# Altium PCB IRVT-001.PcbDoc (part 3 of 4)
Units mm, origin at the board's own origin, x right, y up, seen from the top; angles counter-clockwise.
Board outline 180 x 180 mm, 4 copper layers (Top Layer, Ground Plane, Power & Signal, Bottom Layer), stack 1.397 mm thick; 910 components, 520 nets, 2483 pads, 116 vias.
Unrouted connection lines stored in the file: 1841.
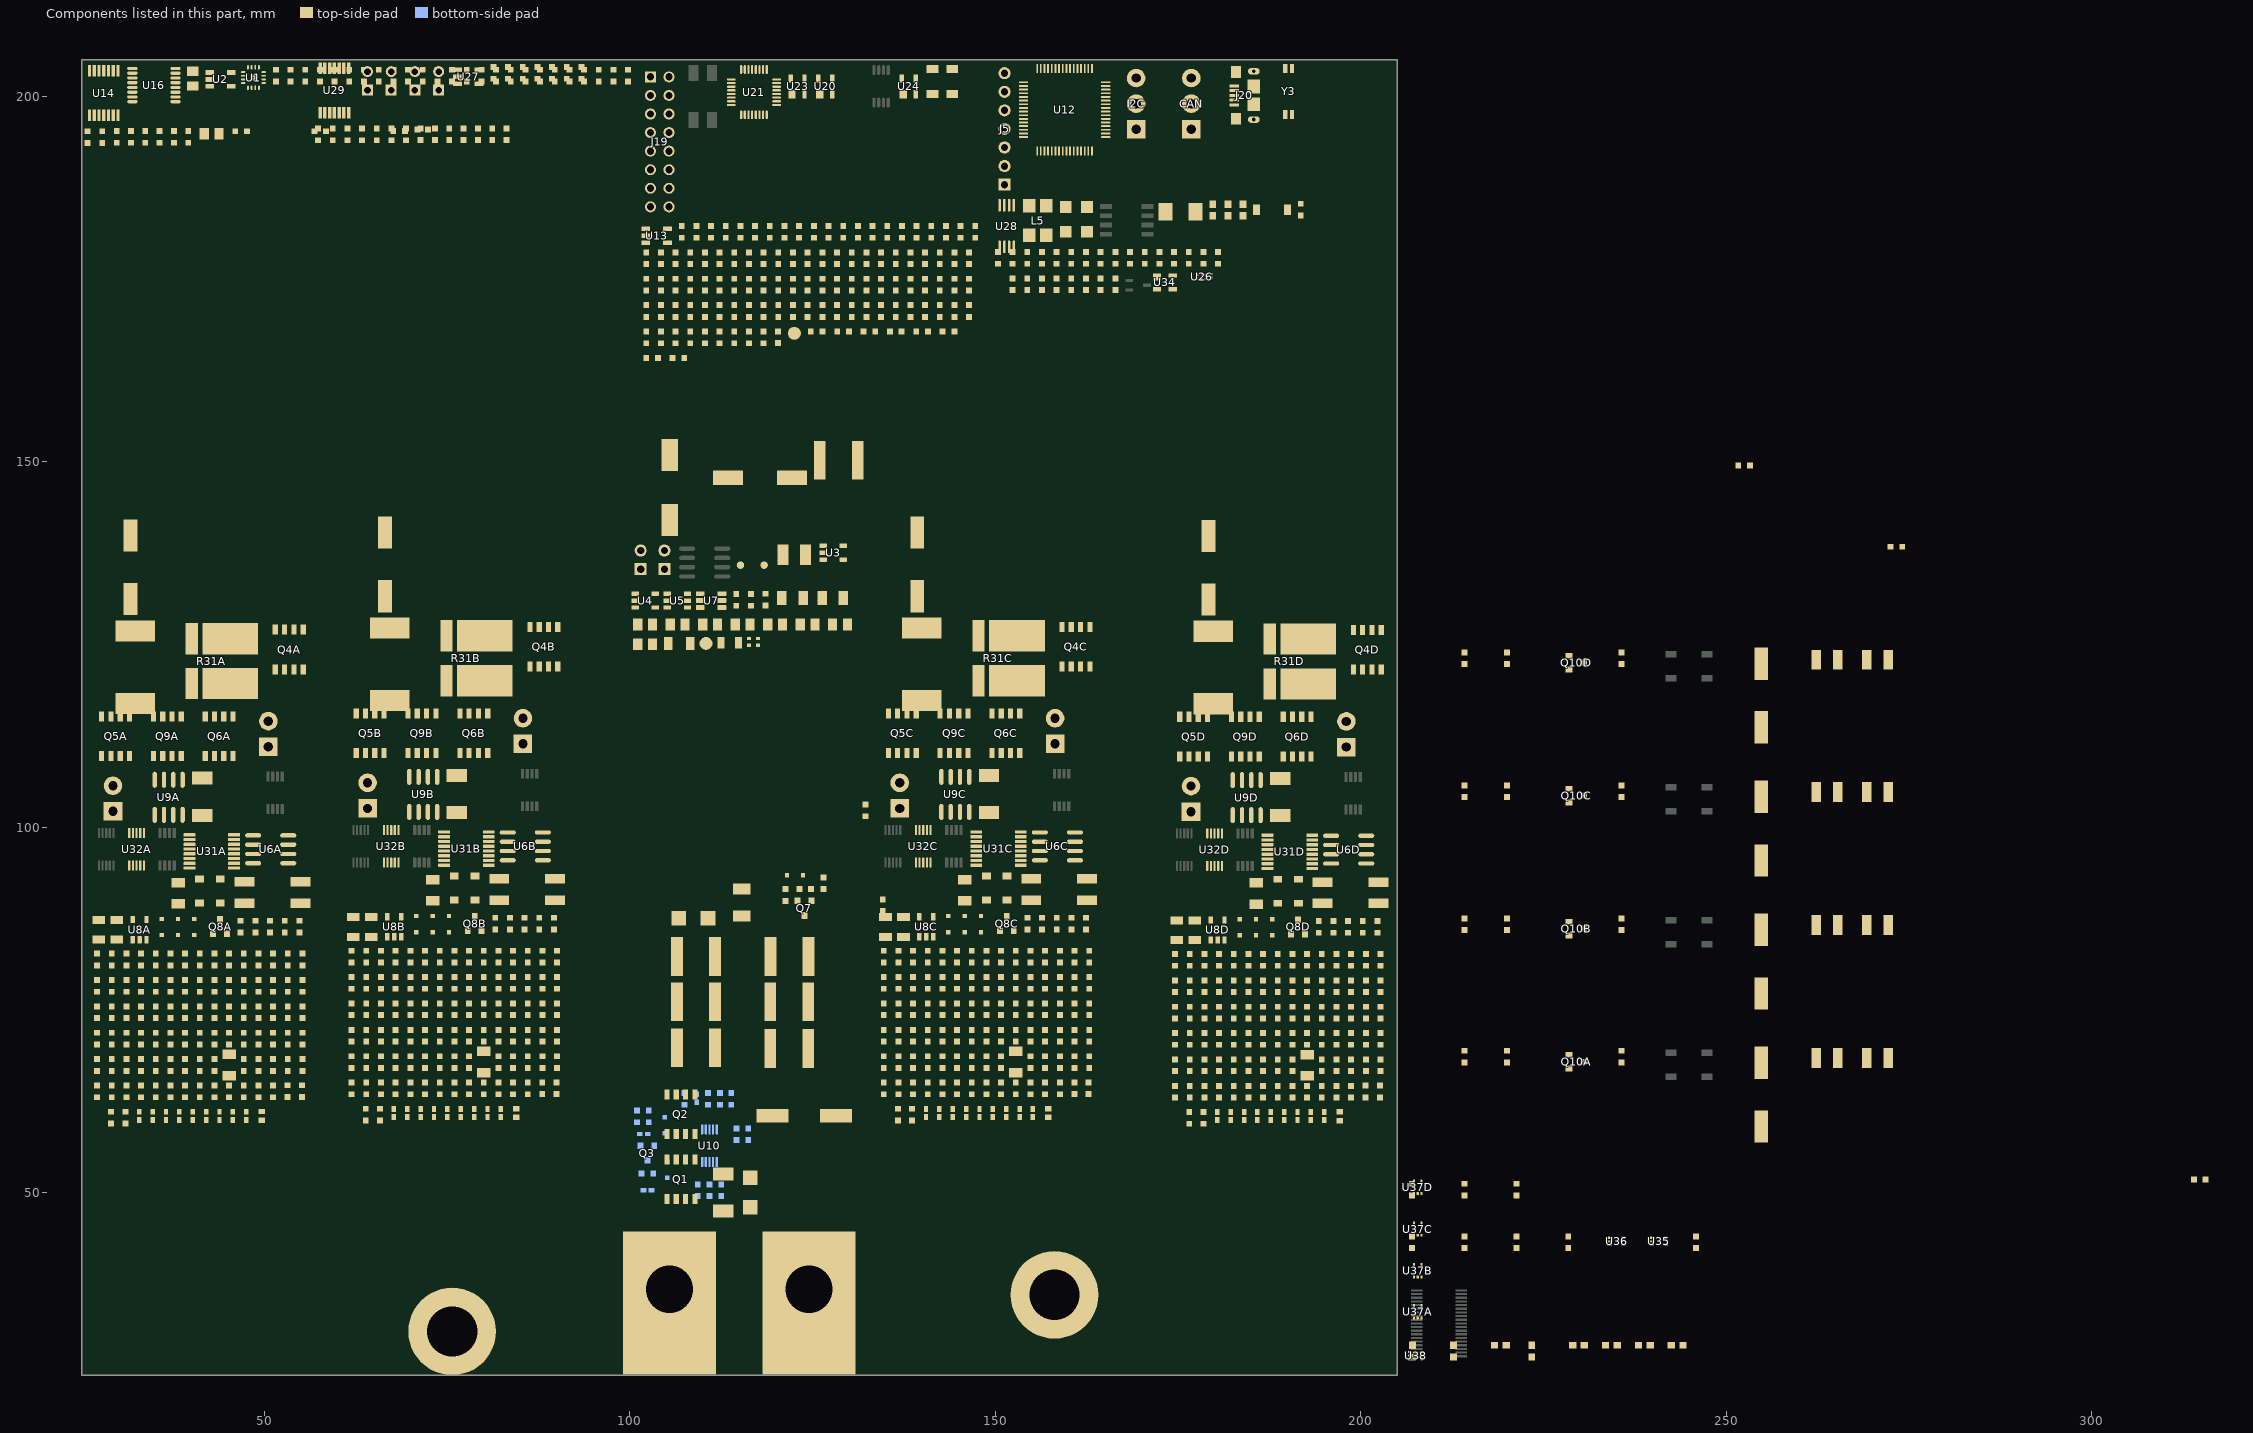
[diagram p4: the components of this part, seen from the top]

## Footprints (in the part's own frame and the unit in brackets; to place one, negate y for a bottom-side part, rotate by r counter-clockwise, add the part's x,y. Pads: shape width x height; smd on the part's side, far side on the other; paste and mask are expansions set on the pad) (continued)
DIOD-SOT23-3_V [mm] "SOT23, 3-Leads, Body 3x1.4mm, Pitch 0.95mm"
  rect 0.9x0.8 smd: 1(-1,0.95) 2(-1,-0.95) 3(1,0)
  silkscreen extent -1.12,-1.5 0.7,2.03, body extent -1.25,-1.5 1.25,1.5, height 1.1
DNK8 [mm]
  rect 1.372x0.71 smd paste-0.673: 1(-2.712,1.905) 2(-2.712,0.635) 3(-2.712,-0.635) 4(-2.712,-1.905) 5(2.712,-1.905) 6(2.712,-0.635) 7(2.712,0.635) 8(2.712,1.905)
  Top Layer region: -1.042,-2.26 -1.042,2.26 2.808,2.26 2.808,-2.26
  silkscreen extent -4.17,-3.2 4,3.2, body extent -3,-2.5 3,2.5, height 1
DRL0005A_L [mm] "SOT23, 5-Leads, Body 1.7x1.3mm, Pitch 0.5mm, IPC High Density"
  rrect33% 0.4x0.3 smd: 1(-0.85,0.5) 2(-0.85,0) 3(-0.85,-0.5) 4(0.85,-0.5) 5(0.85,0.5)
  silkscreen extent -0.97,-0.85 0.25,1.32, body extent -0.65,-0.85 0.65,0.85, height 0.6
DRL0005A_N [mm] "SOT23, 5-Leads, Body 1.7x1.3mm, Pitch 0.5mm, IPC Medium Density"
  rrect33% 0.6x0.3 smd: 1(-0.95,0.5) 2(-0.95,0) 3(-0.95,-0.5) 4(0.95,-0.5) 5(0.95,0.5)
  silkscreen extent -1.07,-0.85 0.25,1.32, body extent -0.65,-0.85 0.65,0.85, height 0.6
DRY0006A [mm]
  rrect50% 0.35x0.2 smd: 1(-0.275,0.5)
  rrect50% 0.3x0.2 smd: 2(-0.3,0) 3(-0.3,-0.5) 4(0.3,-0.5) 5(0.3,0) 6(0.3,0.5)
  body extent -0.5,-0.72 0.5,0.73, height 0.58
FCI_10118193-0001LF [mm]
  rect 0.4x1.35 smd: 1(-1.3,4.125) 2(-0.65,4.125) 3(0,4.125) 4(0.65,4.125) 5(1.3,4.125)
  oval 0.9x1.6 hole 0.5 slot 1.2 at 90 deg: 6(-3.3,1.45) 7(3.3,1.45)
  rect 1.6x1.4 smd: 8(-3.2,3.9) 9(3.2,3.9)
  rect 1.9x1.7 smd: 10(-1.2,1.45) 11(1.2,1.45)
  silkscreen extent -4.3,0.2 4.3,5.4, body extent -3.93,-1.45 3.93,4.5, height 3.51
FP-C0603C-CF-MFG [mm]
  rect 0.75x0.9 smd paste+0 mask+0: 1(-0.6,0) 2(0.6,0)
  silkscreen extent -0.87,-0.85 0.88,0.85, body extent -1.2,-0.6 1.2,0.6, height 0.25
FP-LPS4018-MFG [mm]
  round 1.026 smd paste+0 mask+0: 1(-1.611,-1.175) 2(1.611,-1.175)
  Top Layer region: -0.75,1.945 -1.64,1.945 -2.2,1.395 -2.2,-1.395 -1.64,-1.945 -0.75,-1.945 -0.75,-1.17 -1.33,-0.575 -1.33,0.575 -0.75,1.17
  Top Layer region: 0.75,1.945 1.64,1.945 2.2,1.395 2.2,-1.395 1.64,-1.945 0.75,-1.945 0.75,-1.17 1.33,-0.575 1.33,0.575 0.75,1.17
  silkscreen extent -0.37,-1.99 0.37,1.99, body extent -2.3,-2.09 2.3,2.09, height 0.25
FUSE_CCF [mil]
  rect 70x110 smd: 1(-100,0) 2(100,0)
HDR1X2 [mm] "Connector; Header; 2 Position"
  rect 1.5x1.5 hole 0.9: 1(0,0)
  round 1.5 hole 0.9: 2(2.54,0)
  silkscreen extent -1.27,-1.27 3.81,1.27
Johnson_108-0740-001 [mm]
  round 12 hole 6.858: 1(0,0)
  body extent -4.77,-5.43 4.75,5.57, height 2.39
Net-Tie_10mil [mil]
  rect 10x10 smd paste-5 mask-5: 1(-10,0) 2(10,0)
  Top Layer region: -6,5 6,5 6,-5 -6,-5
ONSC-SOT-23-3-318-08_V [mm] "SOT23, 3-Leads, Body 2.92x1.3mm, Pitch 0.95mm"
  rect 0.9x0.8 smd: 1(-1,0.95) 2(-1,-0.95) 3(1,0)
  silkscreen extent -1.12,-1.46 0.65,2.02, body extent -0.65,-1.46 0.65,1.46, height 1.11
Panduit_CXS70-14-C [mil]
  rect 770x500 hole 254 copper offset -74.8,0 paste-250: 1(0,0)
  body extent -960,-250 310,250, height 684
PBS0032A_L [mm]
  oval 1.2x0.3 smd: 1(-3.1,1.75) 2(-3.1,1.25) 3(-3.1,0.75) 4(-3.1,0.25) 5(-3.1,-0.25) 6(-3.1,-0.75) 7(-3.1,-1.25) 8(-3.1,-1.75) 17(3.1,-1.75) 18(3.1,-1.25) 19(3.1,-0.75) 20(3.1,-0.25) 21(3.1,0.25) 22(3.1,0.75) 23(3.1,1.25) 24(3.1,1.75)
  oval 0.3x1.2 smd: 9(-1.75,-3.1) 10(-1.25,-3.1) 11(-0.75,-3.1) 12(-0.25,-3.1) 13(0.25,-3.1) 14(0.75,-3.1) 15(1.25,-3.1) 16(1.75,-3.1) 25(1.75,3.1) 26(1.25,3.1) 27(0.75,3.1) 28(0.25,3.1) 29(-0.25,3.1) 30(-0.75,3.1) 31(-1.25,3.1) 32(-1.75,3.1)
  silkscreen extent -3.6,-2.53 2.53,2.53, body extent -3.51,-3.51 3.51,3.51, height 1.2
PM0064A_L [mm] "QFP, 64-Leads, Body 10x10mm, Pitch 0.5mm, IPC High Density"
  rrect40% 1.25x0.25 smd: 1(-5.625,3.75) 2(-5.625,3.25) 3(-5.625,2.75) 4(-5.625,2.25) 5(-5.625,1.75) 6(-5.625,1.25) 7(-5.625,0.75) 8(-5.625,0.25) 9(-5.625,-0.25) 10(-5.625,-0.75) 11(-5.625,-1.25) 12(-5.625,-1.75) 13(-5.625,-2.25) 14(-5.625,-2.75) 15(-5.625,-3.25) 16(-5.625,-3.75) 33(5.625,-3.75) 34(5.625,-3.25) 35(5.625,-2.75) 36(5.625,-2.25) 37(5.625,-1.75) 38(5.625,-1.25) 39(5.625,-0.75) 40(5.625,-0.25) 41(5.625,0.25) 42(5.625,0.75) 43(5.625,1.25) 44(5.625,1.75) 45(5.625,2.25) 46(5.625,2.75) 47(5.625,3.25) 48(5.625,3.75)
  rrect40% 0.25x1.25 smd: 17(-3.75,-5.625) 18(-3.25,-5.625) 19(-2.75,-5.625) 20(-2.25,-5.625) 21(-1.75,-5.625) 22(-1.25,-5.625) 23(-0.75,-5.625) 24(-0.25,-5.625) 25(0.25,-5.625) 26(0.75,-5.625) 27(1.25,-5.625) 28(1.75,-5.625) 29(2.25,-5.625) 30(2.75,-5.625) 31(3.25,-5.625) 32(3.75,-5.625) 49(3.75,5.625) 50(3.25,5.625) 51(2.75,5.625) 52(2.25,5.625) 53(1.75,5.625) 54(1.25,5.625) 55(0.75,5.625) 56(0.25,5.625) 57(-0.25,5.625) 58(-0.75,5.625) 59(-1.25,5.625) 60(-1.75,5.625) 61(-2.25,5.625) 62(-2.75,5.625) 63(-3.25,5.625) 64(-3.75,5.625)
  silkscreen extent -5.75,-4.6 4.6,4.6, body extent -6,-6 6,6, height 1.49
PogoPad [mil]
  round 70 smd paste-35: 1(0,0)
PW0014A_M [mm] "SOP, 14-Leads, Body 5.1x4.5mm, Pitch 0.65mm, IPC Low Density"
  rrect22% 1.6x0.45 smd: 1(-3.05,1.95) 2(-3.05,1.3) 3(-3.05,0.65) 4(-3.05,0) 5(-3.05,-0.65) 6(-3.05,-1.3) 7(-3.05,-1.95) 8(3.05,-1.95) 9(3.05,-1.3) 10(3.05,-0.65) 11(3.05,0) 12(3.05,0.65) 13(3.05,1.3) 14(3.05,1.95)
  silkscreen extent -3.17,-2.55 1.85,2.85, body extent -3.21,-2.5 3.21,2.5, height 1
PW0016A_M [mm] "SOP, 16-Leads, Body 5.1x4.5mm, Pitch 0.65mm, IPC Low Density"
  rrect22% 1.6x0.45 smd: 1(-3.05,2.275) 2(-3.05,1.625) 3(-3.05,0.975) 4(-3.05,0.325) 5(-3.05,-0.325) 6(-3.05,-0.975) 7(-3.05,-1.625) 8(-3.05,-2.275) 9(3.05,-2.275) 10(3.05,-1.625) 11(3.05,-0.975) 12(3.05,-0.325) 13(3.05,0.325) 14(3.05,0.975) 15(3.05,1.625) 16(3.05,2.275)
  silkscreen extent -3.17,-2.55 1.85,3.17, body extent -3.21,-2.5 3.21,2.5, height 1
PW0016A_N [mm]
  oval 1.4x0.45 smd paste+0 mask+0.051: 1(-2.95,2.275) 2(-2.95,1.625) 3(-2.95,0.975) 4(-2.95,0.325) 5(-2.95,-0.325) 6(-2.95,-0.975) 7(-2.95,-1.625) 8(-2.95,-2.275) 9(2.95,-2.275) 10(2.95,-1.625) 11(2.95,-0.975) 12(2.95,-0.325) 13(2.95,0.325) 14(2.95,0.975) 15(2.95,1.625) 16(2.95,2.275)
  silkscreen extent -3.5,-2.55 1.85,2.75
RESC0402(1005)_L [mm] "Chip Resistor, Body 1.0x0.5mm, IPC High Density"
  rect 0.45x0.55 smd: 1(-0.45,0) 2(0.45,0)
  body extent -0.52,-0.27 0.53,0.28, height 0.4
RTE0016D [mm]
  oval 0.6x0.24 smd paste+0 mask+0.051: 1(-1.4,0.75) 2(-1.4,0.25) 3(-1.4,-0.25) 4(-1.4,-0.75) 9(1.4,-0.75) 10(1.4,-0.25) 11(1.4,0.25) 12(1.4,0.75)
  oval 0.24x0.6 smd paste+0 mask+0.051: 5(-0.75,-1.4) 6(-0.25,-1.4) 7(0.25,-1.4) 8(0.75,-1.4) 13(0.75,1.4) 14(0.25,1.4) 15(-0.25,1.4) 16(-0.75,1.4)
  rect 0.8x0.8 smd paste-0.387 mask+0.051: 17(0,0)
  round 0.5 hole 0.203 mask+0.051: V(0,0)
  silkscreen extent -1.72,-1.73 1.72,1.73, body extent -1.5,-1.5 1.5,1.5, height 0.8
Samtec_HTSW-102-07-G-S [mm]
  rrect6% 1.65x1.65 hole 1.016: 1(-1.27,0)
  round 1.65 hole 1.016: 2(1.27,0)
  silkscreen extent -3.3,-1.27 2.54,1.27, body extent -2.54,-1.27 2.54,1.27, height 8.38
Seiko_SSP-T [mm]
  rect 0.6x1.2 smd: 1(-0.45,3.15) 2(-0.45,-3.15) 3(0.45,-3.15) 4(0.45,3.15)
  silkscreen extent -1.23,-2 0.75,2.29, body extent -0.75,-3.35 0.75,3.35, height 1.41
SIMDAD_1812 [mm] "EPCOS"
  rect 1.7x1.85 smd: 1(-1.15,2.025) 2(-1.15,-2.025) 3(1.15,-2.025) 4(1.15,2.025)
  silkscreen extent -2,-0.8 1.75,0.9, body extent -1.75,-2.6 1.75,2.6, height 3.01
SM_RADIAL_10AMM [mm]
  rect 4.4x1.9 smd: 1(-4.35,0) 2(4.35,0)
  silkscreen extent -5.25,-5.25 5.25,5.25, body extent -5.25,-5.25 5.25,5.25, height 8
SM_RADIAL_G [mm]
  rect 4.1x2 smd: 1(-4.35,0) 2(4.35,0)
  silkscreen extent -5.35,-5.35 5.35,5.35, body extent -5.25,-5.25 5.25,5.25, height 10.5
SMA [mm]
  rect 2x2 smd: 1(-2,0) 2(2,0)
  silkscreen extent -3.66,-1.57 2.79,1.57, body extent -2.6,-1.3 2.6,1.3, height 2.42
SOD-123FL [mm]
  rect 0.915x1.22 smd: 1(-1.637,0) 2(1.637,0)
  silkscreen extent -2.74,-1.16 1.68,1.16, body extent -1.9,-0.9 1.9,0.9, height 1
sod-323 [mm]
  rect 0.6x0.6 smd paste-0.05: 1(-1.1,0) 2(1.1,0)
  silkscreen extent -2.06,-0.86 1.53,0.86, body extent -1.3,-0.67 1.3,0.68, height 1.1
SOD-523 [mm]
  rect 0.8x0.6 smd paste-0.05: 1(-0.55,0) 2(0.55,0)
  silkscreen extent -1.65,-0.66 1.2,0.66, body extent -0.8,-0.4 0.8,0.4, height 0.72
SOT143B [mm] "SOT143, 4-Leads, Body 2.90x2.30mm, Pitch 1.90mm, IPC Medium Density"
  rect 1.15x1 smd: 1(-1.075,0.75)
  rect 1.15x0.6 smd: 2(-1.075,-0.95) 3(1.075,-0.95) 4(1.075,0.95)
  silkscreen extent -1.12,-1.5 0.7,1.6, body extent -1.1,-1.45 1.1,1.45, height 1
Sullins_xxxC008DAAN [mm]
  rect 1.5x1.5 hole 1: 1(-1.27,8.89)
  round 1.5 hole 1: 2(1.27,8.89) 3(-1.27,6.35) 4(1.27,6.35) 5(-1.27,3.81) 6(1.27,3.81) 7(-1.27,1.27) 8(1.27,1.27) 9(-1.27,-1.27) 10(1.27,-1.27) 11(-1.27,-3.81) 12(1.27,-3.81) 13(-1.27,-6.35) 14(1.27,-6.35) 15(-1.27,-8.89) 16(1.27,-8.89)
  silkscreen extent -2.5,-10.16 2.5,10.6, body extent -2.5,-10.16 2.5,10.16, height 8.34
SW_TL1015AF160QG [mm]
  rect 0.95x1.4 smd: 1(-2.1,0) 2(2.1,0)
  silkscreen extent -2,-1.5 2,1.5, body extent -2.3,-1.5 2.3,1.5, height 2
TERM_BLK_ED555-2DS [mil]
  rect 100x100 hole 50: 1(0,0)
  round 100 hole 50: 2(138,0)
  silkscreen extent -93,-161 215,113, body extent -69,-150 207,106, height 323
TERM_BLK_ED555-3DS [mil]
  rect 100x100 hole 50: 1(0,0)
  round 100 hole 50: 2(138,0) 3(276,0)
  silkscreen extent -93,-161 353,113, body extent -69,-150 345,106, height 323
TSSOP-8 [mm]
  rrect50% 1.7x0.35 smd: 1(-2.85,0.975) 2(-2.85,0.325) 3(-2.85,-0.325) 4(-2.85,-0.975) 5(2.85,-0.975) 6(2.85,-0.325) 7(2.85,0.325) 8(2.85,0.975)
  silkscreen extent -2.97,-1.55 1.6,1.82, body extent -3.2,-1.55 3.2,1.55, height 1.07
TSW-107-07-G-S [mm]
  rrect6% 1.65x1.65 hole 1.016: 1(-7.62,0)
  round 1.65 hole 1.016: 2(-5.08,0) 3(-2.54,0) 4(0,0) 5(2.54,0) 6(5.08,0) 7(7.62,0)
  silkscreen extent -8.89,-1.27 8.89,1.65, body extent -8.89,-1.27 8.89,1.27, height 8.38
WE-HCC-1210 [mm] "Inductor, 2-Leads, Body 12.1 x 11.4 mm"
  rect 2.9x5.4 smd: 1(-4.95,0) 2(4.95,0)
  silkscreen extent -6.2,-5.85 6.2,5.85, body extent -6.05,-5.68 6.05,5.72, height 9.5
"WE-LHMI 4020" [mm] "SMD Inductor, 2-Leads, Body 4.45 x 4.06mm"
  rect 1.5x2.4 smd: 1(-1.85,0) 2(1.85,0)
  Keep-Out Layer lines w0.127: -1,2 -1,-2 1,-2 1,2 -1,2
  silkscreen extent -2.97,-2.2 2.2,2.2, body extent -2.22,-2.03 2.23,2.03, height 1.8
WSL3637_0.001 [mil]
  rect 168x300 smd: 1(-121,-45) 2(121,-45)
  rect 168x66 smd: 3(-121,162) 4(121,162)
  silkscreen extent -220,-210 220,210, body extent -185,-190 185,190, height 35
XTAL_ABM3 [mm]
  rect 1.9x2.4 smd: 1(-2.05,0) 2(2.05,0)
  silkscreen extent -2.67,-1.78 2.67,1.78, body extent -2.6,-1.7 2.6,1.7, height 1.3

## Part data
BN1A BN1B BN1C BN1D BP1A BP1B BP1C BP1D: "Terminal Block, 6A, 3.5mm Pitch, 2-Pos, TH", Manufacturer="On-Shore Technology", Supplier Part Number 1=ED1514-ND, ComponentLink1Description="Datasheet Link", ComponentLink1URL=http://on-shore.com/sites/default/files/manuals/ed555ds.pdf, CompType=Connector, LatestRevisionDate=2013-07-26, MountType=TH, PackageReference=7.0x8.2x6.5mm, PartNumber=ED555/2DS, Publisher="Texas Instruments", RoHS=Y, Supplier 1=Digi-Key, SymbolCreator=a0412235, SymbolVersion=2013-03-14, U/M=EA
C1 C3 C30A C30B C30C C30D C70 C71 C72 C83 C85A C85B C85C C85D C88A C88B C88C C88D C94 C97A C97B C97C C97D C99A C99B C99C C99D C101A C101B C101C C101D C115 C117 C120A C120B C120C C120D C121A C121B C121C C121D C122A C122B C122C C122D C125 C129 C162 C164 C169A C169B C169C C169D C171A C171B C171C C171D: "CAP, CERM, 1 µF, 25 V, +/- 10%, X7R, 0603", Cap_Case=0603, Manufacturer=Kemet, Supplier Part Number 1=399-7376-1-ND, TempCo=X7R, Tolerance_%=10, Value1=Unknown, Value2=25V, ValueDisplayed=1µF, AEC Category=Q200, AEC Qualified=?, Cap_F=0.000001, ComponentLink1Description="Datasheet link", ComponentLink1URL=http://capacitoredge.kemet.com/capedge2/DataSheet/Datasheet-C0603C105K3RACTU.pdf?pn=C0603C105K3RACTU, CompType=Capacitor, LatestRevisionDate=2016-09-23, MountType=SMT, PackageReference=0603, PartNumber=C0603C105K3RACTU, Polarized=N, Published=2008-06-19, Publisher="Texas Instruments", RoHS=Y, SizeArea_mm2=1.28, SizeAreaWB_mm2=4.68, SizeX_mm=1.6, SizeY_mm=0.8, SizeZ_mm=1, Supplier 1=Digi-Key, Supplier 2=Mouser, Supplier 3=Farnell, Supplier Part Number 2=80-C0603C105K3R, Supplier Part Number 3=2118128, SymbolVersion=2008-07-09, TaMax_C=125, TaMin_C=-55, Technology=Ceramic, U/M=EA, VDC_V=25
C2 C116: library part CMP-0008273-1, "CAP, CERM, 10 uF, 35 V, +/- 10%, X6S, 0805", Cap_Case=0805, Manufacturer=MuRata, PartNumber=GRM21BC8YA106KE11L, Supplier Part Number 1=490-10504-1-ND, TempCo=X6S, Tolerance_%=10%, Value1=Unknown, Value2=35V, ValueDisplayed=10uF, AEC Category=Q200, AEC Grade=N/A, AEC Qualified=N, Cap_F=10µF, ComponentLink1Description="Datasheet link", ComponentLink1URL=http://search.murata.co.jp/Ceramy/image/img/A01X/G101/ENG/GRM21BC8YA106KE11-01.pdf, CompType=Capacitor, LatestRevisionDate=2017-03-09, MountType=SMT, PackageReference=0805, Polarized=N, Published=2008-06-19, Publisher="Texas Instruments", RoHS=Y, SizeArea_mm2=2.5, SizeAreaWB_mm2=6.75, SizeX_mm=2, SizeY_mm=1.25, SizeZ_mm=1.45, Supplier 1=Digi-Key, Supplier 2=Newark, Supplier 3=Mouser, Supplier Part Number 2=96Y9269, Supplier Part Number 3=81-GRM21BC8YA106KE1L, TaMax_C=105°C, TaMin_C=-55°C, Technology=Ceramic, U/M=EA, VDC_V=35V
C4 C5 C6 C7 C8 C9: "CAP, CERM, 4.7 µF, 100 V, +/- 20%, X7R, 2220", Cap_Case=2220, Manufacturer=TDK, Supplier Part Number 1=445-1450-1-ND, TempCo=X7R, Tolerance_%=20, Value1="0.0015 ohm", Value2=100V, ValueDisplayed=4.7µF, AEC Category=Q200, AEC Grade=N/A, AEC Qualified=N, Cap_F=0.0000047, ComponentLink1Description="Datasheet link", ComponentLink1URL=http://www.tdk.co.jp/tefe02/e412_c.pdf, CompType=Capacitor, ESR_ohm=0.0015, IRMS_A=5.5, LatestRevisionDate=2016-03-26, MountType=SMT, PackageReference=2220, PartNumber=C5750X7R2A475M230KA, Polarized=N, Published=2008-06-19, Publisher="Texas Instruments", RoHS=Y, Supplier 1=Digi-Key, Supplier 2=Mouser, Supplier 3=Farnell, Supplier Part Number 2=810-C5750X7R2A475M, Supplier Part Number 3=1843193, SymbolVersion=2008-07-09, TaMax_C=125, TaMin_C=-55, Technology=Ceramic, U/M=EA, VDC_V=100
C10A C10B C10C C10D C15: "CAP, Aluminum Polymer, 330 µF, 25 V, +/- 20%, 0.014 ohm, F12, SMD, 2-Leads, Body 10.5x10.5mm, Height 12.7mm SMD", Cap_Case=F12, Manufacturer=Panasonic, Tolerance_%=20, Value1="0.014 ohm", Value2=25V, ValueDisplayed=330µF, AEC Category=Q200, AEC Grade=N/A, AEC Qualified=N, Cap_F=0.00033, ComponentLink1Description="Datasheet link", ComponentLink1URL=http://industrial.panasonic.com/www-data/pdf/AAB8000/AAB8000CE1.pdf, CompType=Capacitor, ESR_ohm=0.014, IRMS_A=5, LatestRevisionDate=2016-12-22, MountType=SMT, PackageReference="F12, SMD, 2-Leads, Body 10.5x10.5mm, Height 12.7mm", PartNumber=25SVPF330M, Polarized=Y, Publisher="Texas Instruments", RoHS=Y, Series=SVPF, SizeArea_mm2=106.09, SizeAreaWB_mm2=151.29, SizeX_mm=10.3, SizeY_mm=10.3, SizeZ_mm=12.6, SymbolVersion=2008-07-09, TaMax_C=105, TaMin_C=-55, Technology="Aluminum Polymer", U/M=EA, VDC_V=25
C11A C11B C11C C11D C12A C12B C12C C12D: "CAP, CERM, 22 µF, 25 V, +/- 10%, X7R, 1210", Cap_Case=1210, Manufacturer=MuRata, Supplier Part Number 1=490-5313-1-ND, TempCo=X7R, Tolerance_%=10, Value1=Unknown, Value2=25V, ValueDisplayed=22µF, AEC Category=Q200, AEC Qualified=?, Cap_F=0.000022, ComponentLink1Description="Datasheet link", ComponentLink1URL=http://search.murata.co.jp/Ceramy/PnsearchViewAction.do?HnOFG=ON&HnNFG=ON&SEL_CNT=50&sLang=en&sKey=GRM32ER71E226KE15L&x=9&y=9&search=startwith, CompType=Capacitor, LatestRevisionDate=2016-09-23, MountType=SMT, PackageReference=1210, PartNumber=GRM32ER71E226KE15L, Polarized=N, Published=2008-06-19, Publisher="Texas Instruments", RoHS=Y, SizeArea_mm2=8, SizeAreaWB_mm2=14.7, SizeX_mm=3.2, SizeY_mm=2.5, SizeZ_mm=2.7, Supplier 1=Digi-Key, Supplier 2=Mouser, Supplier 3=Farnell, Supplier Part Number 2=81-GRM32ER71E226KE5L, Supplier Part Number 3=1797019, SymbolVersion=2008-07-09, TaMax_C=125, TaMin_C=-55, Technology=Ceramic, U/M=EA, VDC_V=25
C13 C14 C131 C132: library part CMP-0006903-4, "CAP, CERM, 0.22 uF, 16 V, +/- 10%, X7R, 0603", Cap_Case=0603, Manufacturer=Kemet, PartNumber=C0603C224K4RACTU, Supplier Part Number 1=399-5619-1-ND, TempCo=X7R, Tolerance_%=10%, Value1=Unknown, Value2=16V, ValueDisplayed=0.22uF, AEC Category=Q200, AEC Qualified=?, Cap_F=220nF, ComponentLink1Description="Datasheet link", ComponentLink1URL=http://www.kemet.com/kemet/web/homepage/kechome.nsf/vapubfiles/F3102_Y5V.pdf/$file/F3102_Y5V.pdf, CompType=Capacitor, LatestRevisionDate=2017-03-09, MountType=SMT, PackageReference=0603, Polarized=N, Published=2008-06-19, Publisher="Texas Instruments", RoHS=Y, SizeArea_mm2=1.28, SizeAreaWB_mm2=4.68, SizeX_mm=1.6, SizeY_mm=0.8, SizeZ_mm=1, Supplier 1=Digi-Key, Supplier 2=Mouser, Supplier 3=Farnell, Supplier Part Number 2=80-C0603C224K4R, Supplier Part Number 3=1650007, TaMax_C=125°C, TaMin_C=-55°C, Technology=Ceramic, U/M=EA, VDC_V=16V
C16 C22 C26 C28 C32 C44 C73 C75 C84 C98A C98B C98C C98D C123 C126 C127: "CAP, CERM, 0.1 µF, 25 V, +/- 5%, X7R, 0603", Cap_Case=0603, Manufacturer=Kemet, Supplier Part Number 1=399-1282-1-ND, TempCo=X7R, Tolerance_%=5, Value1=Unknown, Value2=25V, ValueDisplayed=0.1µF, AEC Category=Q200, AEC Qualified=?, Cap_F=0.0000001, ComponentLink1Description="Datasheet link", ComponentLink1URL=http://www.kemet.com/kemet/web/homepage/kechome.nsf/vapubfiles/F3102_Y5V.pdf/$file/F3102_Y5V.pdf, CompType=Capacitor, LatestRevisionDate=2016-09-23, MountType=SMT, PackageReference=0603, PartNumber=C0603C104J3RACTU, Polarized=N, Published=2008-06-19, Publisher="Texas Instruments", RoHS=Y, SizeArea_mm2=1.28, SizeAreaWB_mm2=4.68, SizeX_mm=1.6, SizeY_mm=0.8, SizeZ_mm=1, Supplier 1=Digi-Key, Supplier 2=Mouser, Supplier 3=Farnell, Supplier Part Number 2=80-C0603C104J3R, Supplier Part Number 3=1650833, SymbolVersion=2008-07-09, TaMax_C=125, TaMin_C=-55, Technology=Ceramic, U/M=EA, VDC_V=25
C17A C17B C17C C17D C20A C20B C20C C20D: "CAP, CERM, 47 µF, 10 V, +/- 20%, X7R, 1210", Cap_Case=1210, Manufacturer=MuRata, Supplier Part Number 1=490-6543-1-ND, TempCo=X7R, Tolerance_%=20, Value1=Unknown, Value2=10V, ValueDisplayed=47µF, AEC Category=Q200, AEC Qualified=?, Cap_F=0.000047, ComponentLink1Description="Datasheet link", ComponentLink1URL=http://search.murata.co.jp/Ceramy/image/img/A01X/G101/ENG/GRM32ER71A476ME15-01.pdf, CompType=Capacitor, LatestRevisionDate=2016-09-23, MountType=SMT, PackageReference=1210, PartNumber=GRM32ER71A476ME15L, Polarized=N, Published=2008-06-19, Publisher="Texas Instruments", RoHS=Y, SizeArea_mm2=8, SizeAreaWB_mm2=14.7, SizeX_mm=3.2, SizeY_mm=2.5, SizeZ_mm=2.7, Supplier 1=Digi-Key, Supplier 2=Mouser, Supplier 3=Farnell, Supplier Part Number 2=81-GRM32ER71A476ME5L, Supplier Part Number 3=2362130, SymbolVersion=2008-07-09, TaMax_C=125, TaMin_C=-55, Technology=Ceramic, U/M=EA, VDC_V=10
C18 C25 C27 C42 C142 C144 C150 C154: "CAP, CERM, 1500 pF, 100 V, +/- 5%, X7R, 0603", Cap_Case=0603, Manufacturer=AVX, PartNumber=06031C152JAT2A, Supplier Part Number 1=478-3703-1-ND, TempCo=X7R, Tolerance_%=5%, Value1="0.229 ohm", Value2=100V, ValueDisplayed=1500pF, AEC Category=Q200, AEC Grade=N/A, AEC Qualified=N, Cap_F=1.5nF, ComponentLink1Description="Datasheet link", ComponentLink1URL=http://datasheets.avx.com/X7RDielectric.pdf, CompType=Capacitor, ESR_ohm=2.29d, LatestRevisionDate=2017-03-09, MountType=SMT, PackageReference=0603, Polarized=N, Published=2008-06-19, Publisher="Texas Instruments", RoHS=Y, SizeArea_mm2=1.28, SizeAreaWB_mm2=4.68, SizeX_mm=1.6, SizeY_mm=0.8, SizeZ_mm=1, Supplier 1=Digi-Key, Supplier 2=Newark, Supplier 3=Mouser, Supplier Part Number 2=96M1240, Supplier Part Number 3=581-06031C152JAT2A, TaMax_C=125°C, TaMin_C=-55°C, Technology=Ceramic, U/M=EA, VDC_V=100V
C19 C43A C43B C43C C43D C47A C47B C47C C47D C56A C56B C56C C56D C59 C61 C86A C86B C86C C86D C119A C119B C119C C119D C128 C130 C133 C135 C163 C167A C167B C167C C167D: library part CMP-0006752-5, "CAP, CERM, 0.1 uF, 25 V, +/- 5%, X7R, 0603", Cap_Case=0603, Manufacturer=AVX, PartNumber=06033C104JAT2A, Supplier Part Number 1=478-3713-1-ND, TempCo=X7R, Tolerance_%=5%, Value1="0.05 ohm", Value2=25V, ValueDisplayed=0.1uF, AEC Category=Q200, AEC Grade=N/A, AEC Qualified=N, Cap_F=100nF, ComponentLink1Description="Datasheet link", ComponentLink1URL=http://datasheets.avx.com/X7RDielectric.pdf, CompType=Capacitor, ESR_ohm=0.05, LatestRevisionDate=2017-03-09, MountType=SMT, PackageReference=0603, Polarized=N, Published=2008-06-19, Publisher="Texas Instruments", RoHS=Y, SizeArea_mm2=1.28, SizeAreaWB_mm2=4.68, SizeX_mm=1.6, SizeY_mm=0.8, SizeZ_mm=1, Supplier 1=Digi-Key, Supplier 2=Mouser, Supplier 3=Farnell, Supplier Part Number 2=581-06033C104JAT2A, Supplier Part Number 3=1740614, TaMax_C=125°C, TaMin_C=-55°C, Technology=Ceramic, U/M=EA, VDC_V=25V
C21 C41 C143 C151: library part CMP-0007481-5, "CAP, CERM, 3900 pF, 100 V, +/- 10%, X7R, 0603", Cap_Case=0603, Manufacturer=MuRata, Supplier Part Number 1=GRM188R72A392KA01D-ND, TempCo=X7R, Tolerance_%=10%, Value1=Unknown, Value2=100V, ValueDisplayed=3900pF, AEC Category=Q200, AEC Qualified=?, Cap_F=3.9nF, ComponentLink1Description="Datasheet link", ComponentLink1URL=http://search.murata.co.jp/Ceramy/PnsearchViewAction.do?HnOFG=ON&HnNFG=ON&SEL_CNT=50&sLang=en&sKey=GRM188R72A392KA01D&x=9&y=9&search=startwith, CompType=Capacitor, LatestRevisionDate=2017-03-09, MountType=SMT, PackageReference=0603, PartNumber=GRM188R72A392KA01D, Polarized=N, Published=2008-06-19, Publisher="Texas Instruments", RoHS=Y, SizeArea_mm2=1.28, SizeAreaWB_mm2=4.68, SizeX_mm=1.6, SizeY_mm=0.8, SizeZ_mm=1, Supplier 1=Digi-Key, Supplier 2=Mouser, Supplier Part Number 2=81-GRM188R72A392KA1D, TaMax_C=125°C, TaMin_C=-55°C, Technology=Ceramic, U/M=EA, VDC_V=100V
C23 C64 C147 C148: "CAP, CERM, 2700 pF, 50 V, +/- 5%, C0G/NP0, 0603", Cap_Case=0603, Manufacturer=MuRata, PartNumber=GRM1885C1H272JA01D, Supplier Part Number 1=490-3283-1-ND, TempCo=C0G/NP0, Tolerance_%=5%, Value1=Unknown, Value2=50V, ValueDisplayed=2700pF, AEC Category=Q200, AEC Qualified=?, Cap_F=2.7nF, ComponentLink1Description="Datasheet link", ComponentLink1URL=http://search.murata.co.jp/Ceramy/PnsearchViewAction.do?HnOFG=ON&HnNFG=ON&SEL_CNT=50&sLang=en&sKey=GRM1885C1H272JA01D&x=9&y=9&search=startwith, CompType=Capacitor, LatestRevisionDate=2017-03-09, MountType=SMT, PackageReference=0603, Polarized=N, Published=2008-06-19, Publisher="Texas Instruments", RoHS=Y, SizeArea_mm2=1.28, SizeAreaWB_mm2=4.68, SizeX_mm=1.6, SizeY_mm=0.8, SizeZ_mm=1, Supplier 1=Digi-Key, Supplier 2=Mouser, Supplier Part Number 2=81-GRM185C1H272JA01D, TaMax_C=125°C, TaMin_C=-55°C, Technology=Ceramic, U/M=EA, VDC_V=50V
C24A C24B C24C C24D: "CAP, Aluminum Polymer, 560 µF, 10 V, +/- 20%, 0.013 ohm, 10x10.3 SMD", Cap_Case=10.3x10.3x12.6, Manufacturer=Panasonic, Tolerance_%=20, Value1="0.013 ohm", Value2=10V, ValueDisplayed=560µF, AEC Category=Q200, AEC Qualified=?, Cap_F=0.00056, ComponentLink1Description="Datasheet link", ComponentLink1URL=https://industrial.panasonic.com/content/data/CP/PDF/OS-CON/S_OS-CON_SVP_e.pdf, CompType=Capacitor, ESR_ohm=0.013, IRMS_A=5.23, LatestRevisionDate=2016-09-20, MountType=SMT, PackageReference=10x10.3, PartNumber=10SVP560M, Polarized=Y, Publisher="Texas Instruments", RoHS=Y, Series=SVP, SizeArea_mm2=113.3, SizeAreaWB_mm2=159.9, SizeX_mm=11, SizeY_mm=10.3, SizeZ_mm=7.7, SymbolVersion=2008-07-09, TaMax_C=105, TaMin_C=-55, Technology="Aluminum Polymer", U/M=EA, VDC_V=10
C29 C31 C33 C54 C74A C74B C74C C74D C168A C168B C168C C168D C177A C177B C177C C177D: "CAP, CERM, 0.01 µF, 50 V, +/- 5%, C0G/NP0, 0603", Cap_Case=0603, Manufacturer=MuRata, Supplier Part Number 1=490-9666-1-ND, TempCo=C0G/NP0, Tolerance_%=5, Value1=Unknown, Value2=50V, ValueDisplayed=0.01µF, AEC Category=Q200, AEC Grade=N/A, AEC Qualified=N, Cap_F=0.00000001, ComponentLink1Description="Datasheet link", ComponentLink1URL=http://search.murata.co.jp/Ceramy/image/img/A01X/G101/ENG/GRM1885C1H103JA01-01.pdf, CompType=Capacitor, LatestRevisionDate=2017-03-17, MountType=SMT, PackageReference=0603, PartNumber=GRM1885C1H103JA01D, Polarized=N, Published=2008-06-19, Publisher="Texas Instruments", RoHS=Y, SizeArea_mm2=1.28, SizeAreaWB_mm2=4.68, SizeX_mm=1.6, SizeY_mm=0.8, SizeZ_mm=1, Supplier 1=Digi-Key, Supplier 2=Newark, Supplier 3=Mouser, Supplier Part Number 2=31Y1764, Supplier Part Number 3=81-GRM1885C1H103JA1D, SymbolVersion=2008-07-09, TaMax_C=125, TaMin_C=-55, Technology=Ceramic, U/M=EA, VDC_V=50
C34 C35 C36 C37: "CAP, CERM, 1 µF, 100 V, +/- 10%, X7S, 0805", Cap_Case=0805, Manufacturer=TDK, Supplier Part Number 1=445-5205-1-ND, TempCo=X7S, Tolerance_%=10, Value1=Unknown, Value2=100V, ValueDisplayed=1µF, AEC Category=Q200, AEC Grade=N/A, AEC Qualified=N, Cap_F=0.000001, ComponentLink1Description="Datasheet link", ComponentLink1URL=http://product.tdk.com/en/catalog/datasheets/mlcc_commercial_midvoltage_en.pdf, CompType=Capacitor, LatestRevisionDate=2015-12-07, MountType=SMT, PackageReference=0805, PartNumber=C2012X7S2A105K125AB, Polarized=N, Published=2008-06-19, Publisher="Texas Instruments", RoHS=Y, Supplier 1=Digi-Key, Supplier 2=Mouser, Supplier 3=Farnell, Supplier Part Number 2=810-C2012X7S2A105K, Supplier Part Number 3=2112709, SymbolVersion=2008-07-09, TaMax_C=125, TaMin_C=-55, Technology=Ceramic, U/M=EA, VDC_V=100
C38: "CAP, AL, 22 µF, 100 V, +/- 20%, 0.55 ohm, SMD", Cap_Case=JA0, Manufacturer=Chemi-Con, Supplier Part Number 1=565-2341-1-ND, Tolerance_%=20, Value1="0.55 ohm", Value2=100V, ValueDisplayed=22µF, Cap_F=0.000022, ComponentLink1Description="Datasheet link", ComponentLink1URL=http://www.chemi-con.co.jp/e/catalog/pdf/al-e/al-sepa-e/003-chip/al-mvh-e-111201.pdf, CompType=Capacitor, ESR_ohm=0.55, IRMS_A=0.115, LatestRevisionDate=2014-11-05, MountType=SMT, PackageReference=JA0, PartNumber=EMVH101ADA220MJA0G, Polarized=Y, Publisher="Texas Instruments", RoHS=Y, Series=MVH, Supplier 1=Digi-Key, Supplier 2=Mouser, Supplier 3=Farnell, Supplier Part Number 2=661-MVH100V220M, Supplier Part Number 3=1698521, SymbolVersion=2008-07-09, TaMax_C=125, TaMin_C=-40, Technology=AL, U/M=EA, VDC_V=100
C39: "CAP, CERM, 10 µF, 100 V, +/- 20%, X7S,", Cap_Case=2220, Manufacturer=TDK, Supplier Part Number 1=445-5212-1-ND, TempCo=X7S, Tolerance_%=20, Value1="0.005 ohm", Value2=100V, ValueDisplayed=10µF, AEC Category=Q200, AEC Grade=N/A, AEC Qualified=N, Cap_F=0.00001, ComponentLink1Description="Datasheet link", ComponentLink1URL=http://product.tdk.com/en/catalog/datasheets/mlcc_commercial_midvoltage_en.pdf, CompType=Capacitor, ESR_ohm=0.005, IRMS_A=6.45, LatestRevisionDate=2016-08-21, MountType=SMT, PartNumber=C5750X7S2A106M230KB, Polarized=N, Published=2008-06-19, Publisher="Texas Instruments", RoHS=Y, SizeArea_mm2=28.5, SizeAreaWB_mm2=53.9, SizeX_mm=5.7, SizeY_mm=5, SizeZ_mm=2.5, Supplier 1=Digi-Key, Supplier 2=Mouser, Supplier 3=Farnell, Supplier Part Number 2=810-C5750X7S2A106M, Supplier Part Number 3=2363568, SymbolVersion=2008-07-09, TaMax_C=125, TaMin_C=-55, Technology=Ceramic, U/M=EA, VDC_V=100
C40: "CAP, CERM, 0.1 µF, 100 V, +/- 10%, X7R, 0805", Cap_Case=0805, Manufacturer=TDK, Supplier Part Number 1=445-1418-1-ND, TempCo=X7R, Tolerance_%=10, Value1="0.0158 ohm", Value2=100V, ValueDisplayed=0.1µF, AEC Category=Q200, AEC Grade=N/A, AEC Qualified=N, Cap_F=0.0000001, ComponentLink1Description="Datasheet link", ComponentLink1URL=http://www.tdk.co.jp/tefe02/e412_c.pdf, CompType=Capacitor, ESR_ohm=0.0158, LatestRevisionDate=2015-12-07, MountType=SMT, PackageReference=0805, PartNumber=C2012X7R2A104K125AA, Polarized=N, Published=2008-06-19, Publisher="Texas Instruments", RoHS=Y, Supplier 1=Digi-Key, Supplier 2=Farnell, Supplier Part Number 2=1844410, SymbolVersion=2008-07-09, TaMax_C=125, TaMin_C=-55, Technology=Ceramic, U/M=EA, VDC_V=100
C45A C45B C45C C45D C46A C46B C46C C46D C79A C79B C79C C79D C82A C82B C82C C82D: library part CMP-0007383-5, "CAP, CERM, 0.015 uF, 16 V, +/- 10%, X7R, 0603", Cap_Case=0603, Manufacturer=MuRata, PartNumber=GRM188R71C153KA01D, Supplier Part Number 1=81-GRM188R71C153KA, TempCo=X7R, Tolerance_%=10%, Value1=Unknown, Value2=16V, ValueDisplayed=0.015uF, AEC Category=Q200, AEC Qualified=?, Cap_F=15nF, ComponentLink1Description="Datasheet link", ComponentLink1URL=http://search.murata.co.jp/Ceramy/PnsearchViewAction.do?HnOFG=ON&HnNFG=ON&SEL_CNT=50&sLang=en&sKey=GRM188R71C153KA01D&x=9&y=9&search=startwith, CompType=Capacitor, LatestRevisionDate=2017-03-09, MountType=SMT, PackageReference=0603, Polarized=N, Published=2008-06-19, Publisher="Texas Instruments", RoHS=Y, SizeArea_mm2=1.28, SizeAreaWB_mm2=4.68, SizeX_mm=1.6, SizeY_mm=0.8, SizeZ_mm=1, Supplier 1=Mouser, TaMax_C=125°C, TaMin_C=-55°C, Technology=Ceramic, U/M=EA, VDC_V=16V
C48A C48B C48C C48D: "CAP, CERM, 4.7 µF, 50 V, +/- 10%, X5R, 1206", Cap_Case=1206, Manufacturer=MuRata, Supplier Part Number 1=1845761, TempCo=X5R, Tolerance_%=10, Value1=Unknown, Value2=50V, ValueDisplayed=4.7µF, AEC Category=Q200, AEC Qualified=?, Cap_F=0.0000047, ComponentLink1Description="Datasheet link", ComponentLink1URL=http://psearch.murata.com/capacitor/product/GRM319R61H475KA12%23.pdf, CompType=Capacitor, LatestRevisionDate=2016-09-23, MountType=SMT, PackageReference=1206, PartNumber=GRM319R61H475KA12, Polarized=N, Published=2008-06-19, Publisher="Texas Instruments", RoHS=Y, SizeArea_mm2=5.12, SizeAreaWB_mm2=10.92, SizeX_mm=3.2, SizeY_mm=1.6, SizeZ_mm=1.35, Supplier 1=Farnell, Supplier 2=Newark, Supplier Part Number 2=13T1225, SymbolVersion=2008-07-09, TaMax_C=85, TaMin_C=-55, Technology=Ceramic, U/M=EA, VDC_V=50
C49: library part CMP-2000-05453-1, "Chip Capacitor, 100 nF, +/- 10%, 100 V, -55 to 1255 degC, 0805 (2012 Metric), RoHS, Tape and Reel", Capacitance=0.1µF, Manufacturer=TDK, Operating Temperature=-55degC~125degC, Package / Case=0805(2012Metric), Package Description="2-Pin Surface Mount Device, Body 2 x 1.25 mm", Package Reference=805, PCN Part Number=MLCCPartNumberChange30/Nov/2012, Ratings=-, Standard Package=1, Temperature Coefficient=X7R, Tolerance=±10%, Voltage - Rated=100V, Applications=GeneralPurpose, Catalog Drawings=CSERIES_2012-0805_1.45, Category=Capacitors, Datasheet URL=https://datasheet.ciiva.com/11788/0900766b80fc5cba-11788142.pdf, Datasheet Version=Jul-13, Family=CeramicCapacitors, Featured Product=C-SeriesMidVoltageMLCCs, Features=-, Height - Seated (Max)=-, Kits=SAMPLEKIT1008-ND-KITCAPCERMLCC100V-630V, Lead Spacing=-, Lead Style=-, Manufacturer URL=http://www.tdk.com/, Mounting Type=SurfaceMount,MLCC, Online Catalog=CSeries,MidVoltage, Other Names=445-1418-1, Packaging=CutTape(CT), Product Training Modules=HighCapacitanceReplacementSEAT,CCV,andTVCLDesignToolsGuidetoReplacinganElectrolyticCapacitorwithanMLCC, RoHS Information=RoHSCertificate-MLCC, Series=C
C50: "CAP, CERM, 10 µF, 25 V,+/- 20%, X5R, 0603", Cap_Case=0603, Manufacturer=MuRata, Supplier Part Number 1=490-7202-1-ND, TempCo=X5R, Tolerance_%=20, Value2=25V, ValueDisplayed=10µF, AEC Category=Q200, AEC Qualified=?, Cap_F=0.00001, ComponentLink1Description="Datasheet link", ComponentLink1URL=http://psearch.murata.com/capacitor/product/GRM188R61E106MA73%23.pdf, CompType=Capacitor, Green_EU RoHS=Passed, Green_EU RoHS-2=Incomplete, Green_Lifecycle=Active, Green_REACh=Passed, LatestRevisionDate=2017-06-22, MountType=SMT, PackageReference=0603, PartNumber=GRM188R61E106MA73D, Polarized=N, Published=2008-06-19, Publisher="Texas Instruments", RoHS=Y, SizeArea_mm2=1.28, SizeAreaWB_mm2=4.68, SizeX_mm=1.6, SizeY_mm=0.8, SizeZ_mm=1, Supplier 1=Digi-Key, Supplier 2=Mouser, Supplier 3=Farnell, Supplier Part Number 2=81-GRM188R61E106MA3L, Supplier Part Number 3=1828803RL, SymbolVersion=2008-07-09, TaMax_C=85, TaMin_C=-55, Technology=Ceramic, U/M=EA, VDC_V=25
C51: "Ceramic, 100nF, ±10%, 50V, X7R, –55 to 125°C, 0603 (1608),RoHS, Automotive", Capacitance=100n, Case EIA=0603, Case Metric=1608, Dielectric=X7R, Manufacturer=Murata, Manufacturer_Part_Number=GCJ188R71H104KA12, Operating Temperature="–55 to 125°C", PnP Package=C_0603_10, PnP Value=100nF/50V/X7R, Rated Voltage=50V, Supplier Part Number 1=490-5798-1-ND, Tolerance=±10%, Automotive Qualified=True, Height - Seated (Max)=0.8mm, Mounting Type=SurfaceMount,MLCC, Part Number=GCJ188R71H104KA12, Series=GCJ, Supplier 1=Digi-Key
C52: library part gen_C_ceramic_10u_50V_X7R_1210, "Ceramic, 10uF, 50 V, -55 to 125 degC, 2-Pin SMD (1210), RoHS, Tape and Reel", Capacitance=10uF, Case Code - in=1210, Case Code - mm=3225, Dielectric=X7R, Manufacturer=AVX, Manufacturer 1="Kyocera AVX", Maximum Operating Temperature=+125C, Minimum Operating Temperature=-55C, Operating Temperature="–55 to 125°C", Operating Temperature Range=-55Cto+125C, Package / Case=1210(3225metric), Package Description="2-Pin Surface Mount Device, Body 3.2 x 2.5 mm", PnP Package=C_1210_10, PnP Value=10µF/25V/X7R, Rated Voltage=25V, Temperature Coefficient / Code=+/-15%, Tolerance=±10%, Voltage Rating=50V, Brand=AVX, Case EIA=1210, Case Metric=3225, Datasheet URL=http://www.farnell.com/datasheets/1818074.pdf, Datasheet Version=03/2014, Factory Pack Quantity=1000, Height - Seated (Max)=2.5mm, Load Life=1000h, Manufacturer Part Number 1=12105C106KAT2A, Manufacturer URL=http://www.avx.com/, Mounting Technology=SurfaceMount, Mounting Type=SurfaceMount,MLCC, Package Reference=1210, Packaging=Reel, Product=GeneralTypeMLCCs, Product Category=MultilayerCeramicCapacitorsMLCC-SMD/SMT, RoHS=Details, Series=GCM, Termination Style=SMD/SMT, Type=CommercialSurfaceMountChip, Voltage Rating DC=50V